# Altium PCB controller_8266.PcbDoc
Units mm, origin at the board's own origin, x right, y up, seen from the top; angles counter-clockwise.
Board outline 50 x 32 mm, 4 copper layers (Top Layer, Layer 1, Layer 2, Bottom Layer), stack 1.586 mm thick; 52 components, 30 nets, 153 pads, 117 vias.
Unrouted connection lines stored in the file: 17.
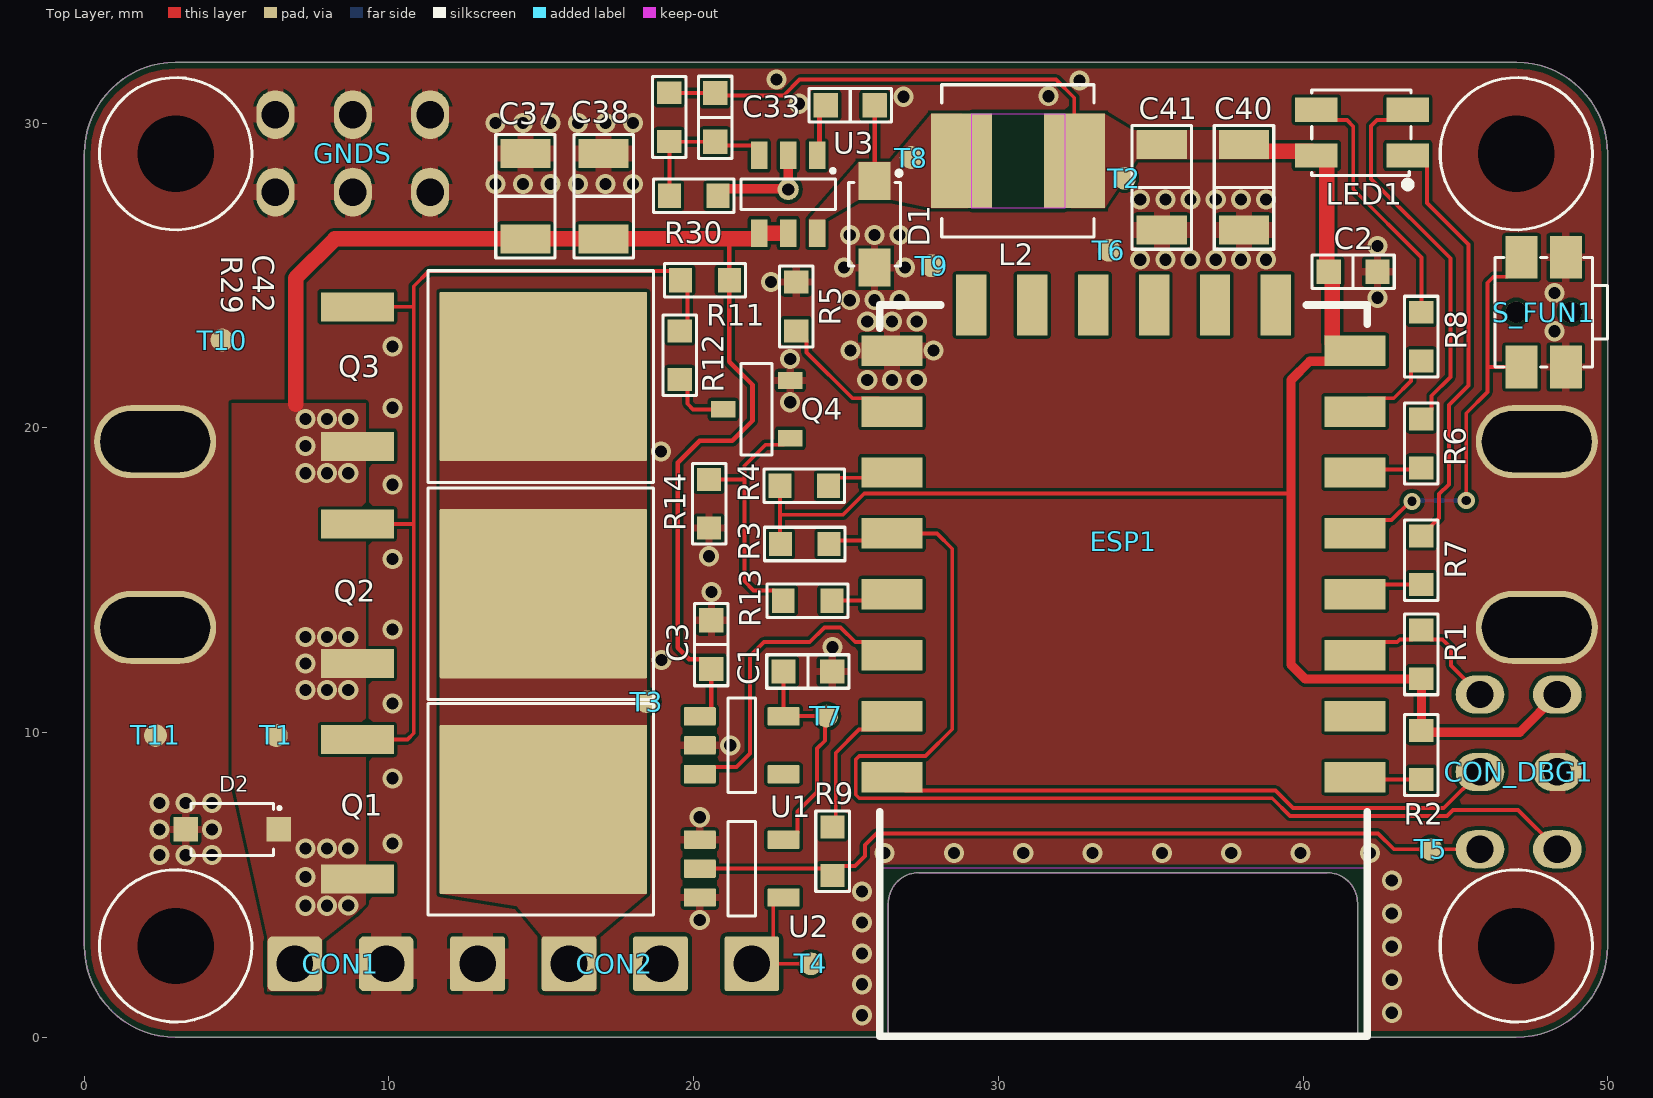
[diagram p0: Top Layer view]
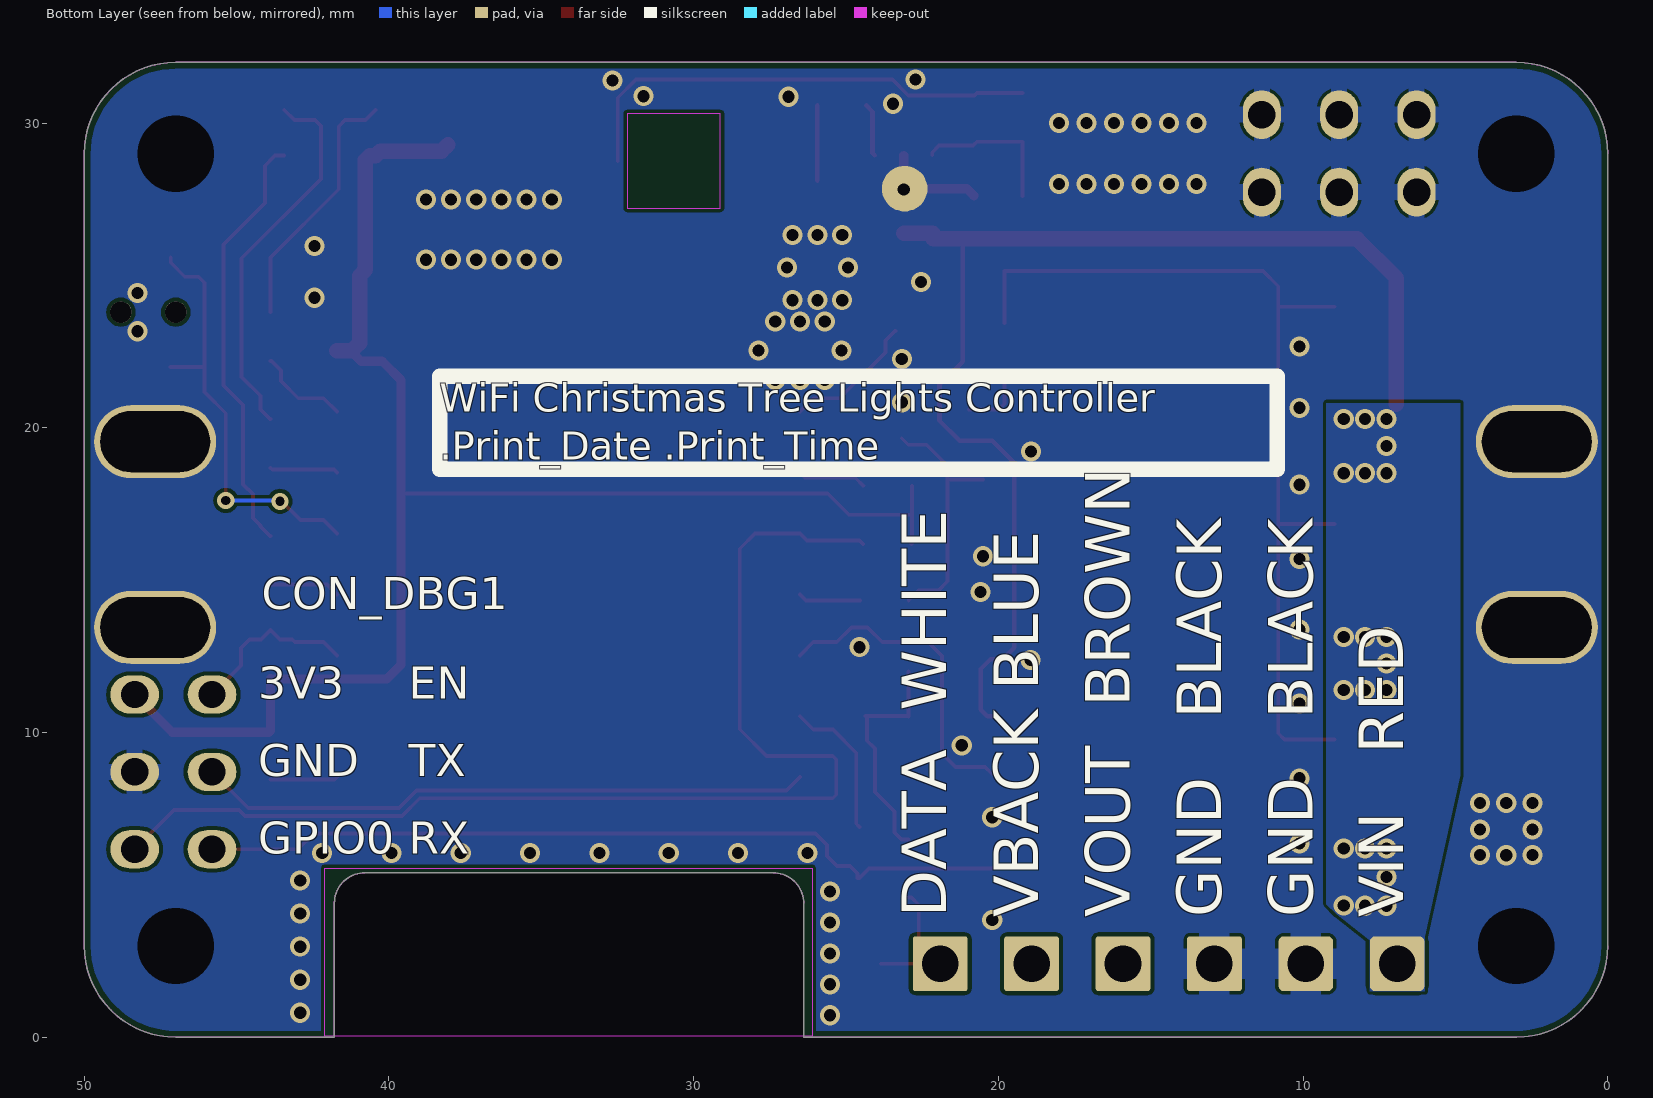
[diagram p1: Bottom Layer view, seen from below]
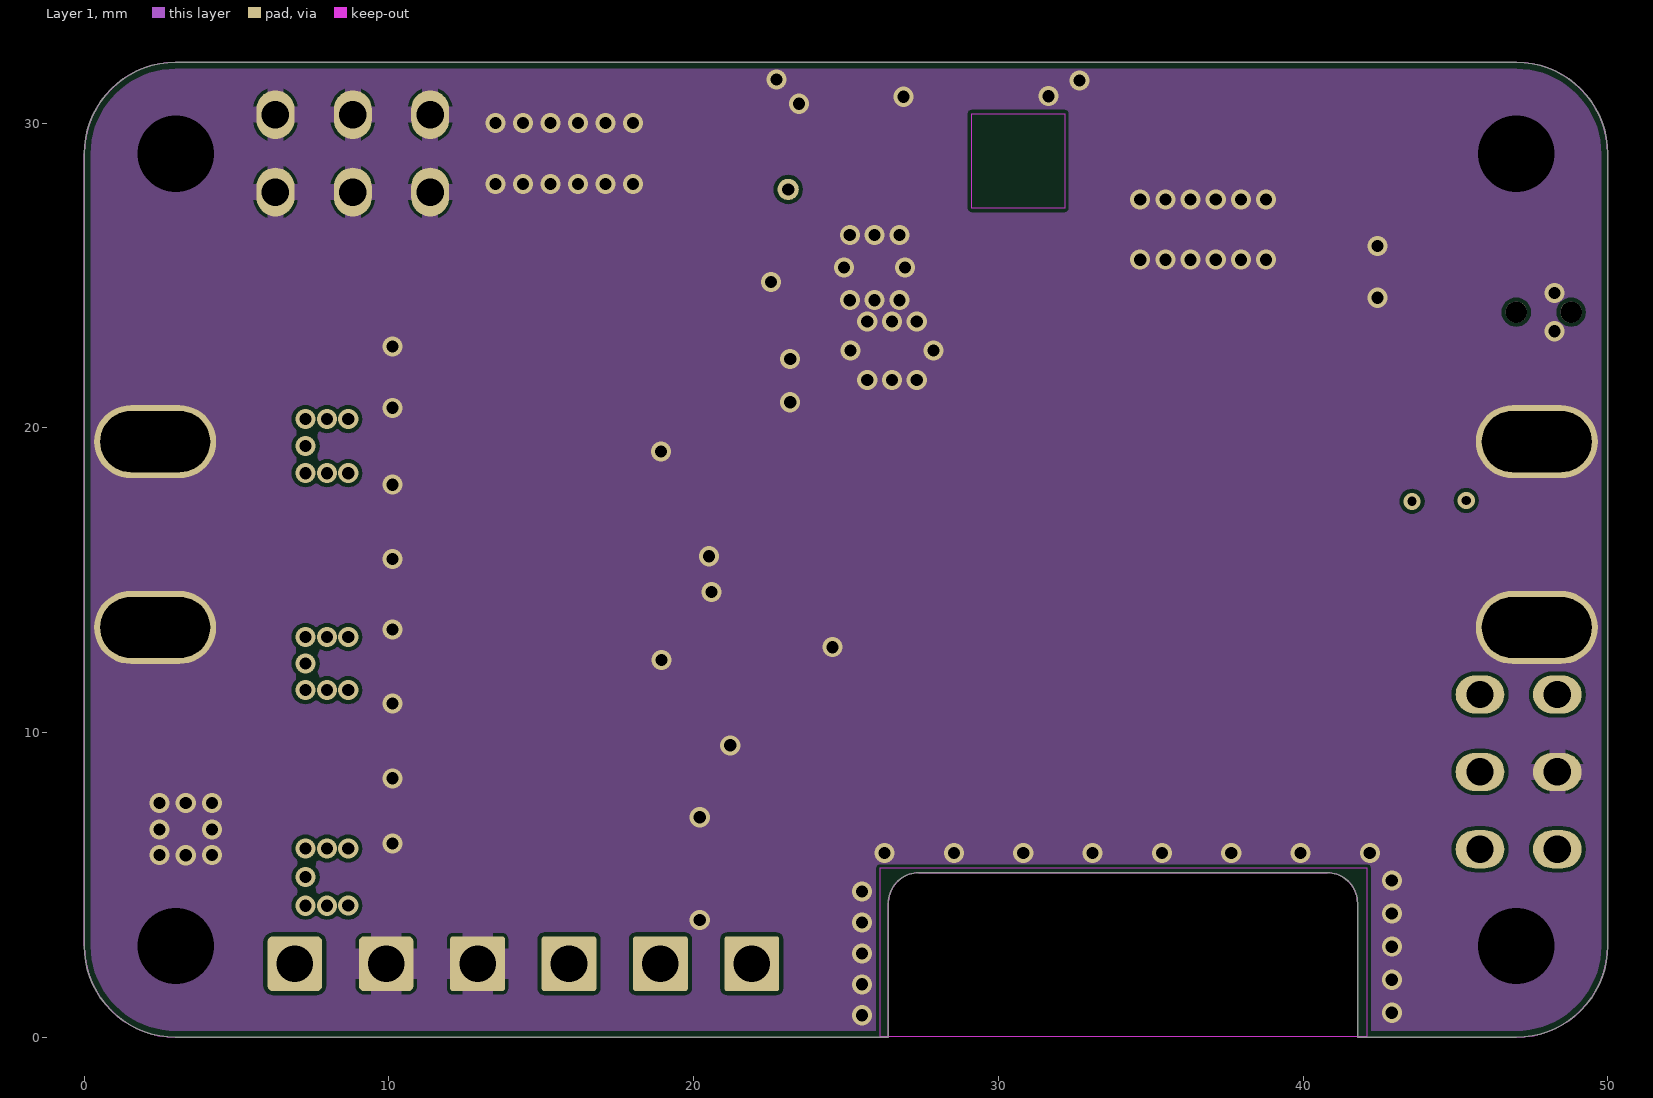
[diagram p2: Layer 1]
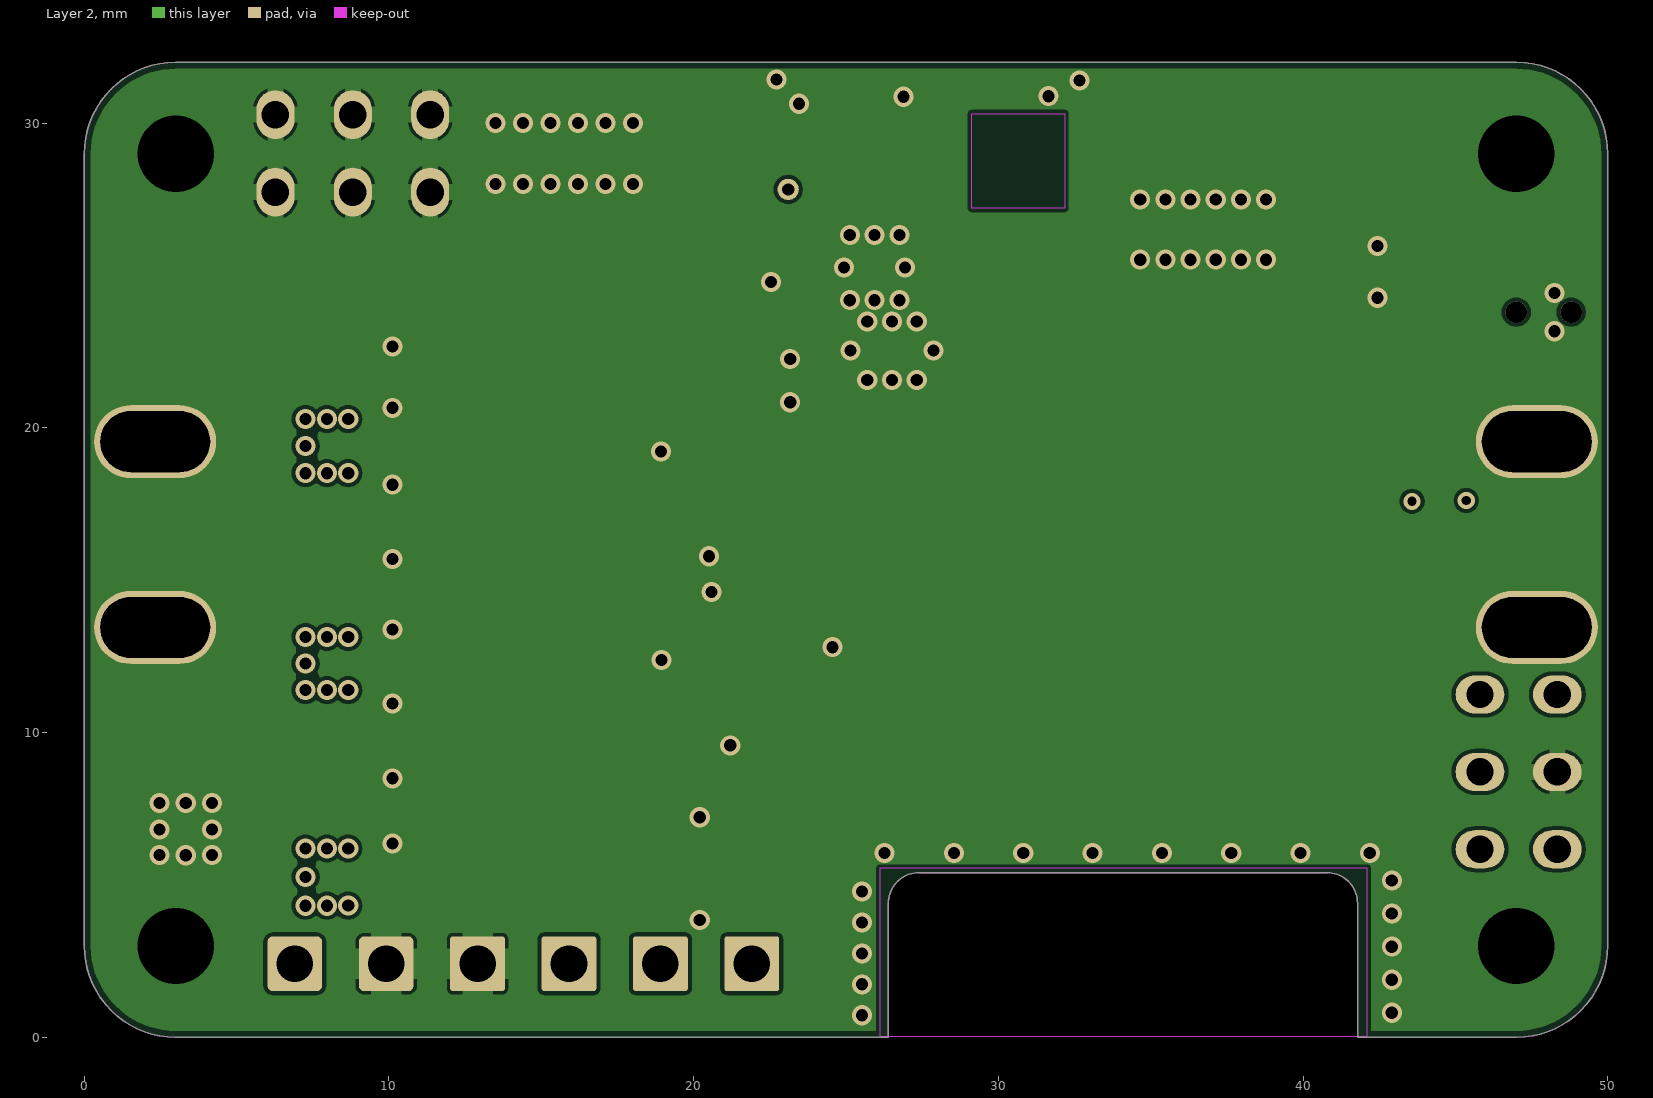
[diagram p3: Layer 2]
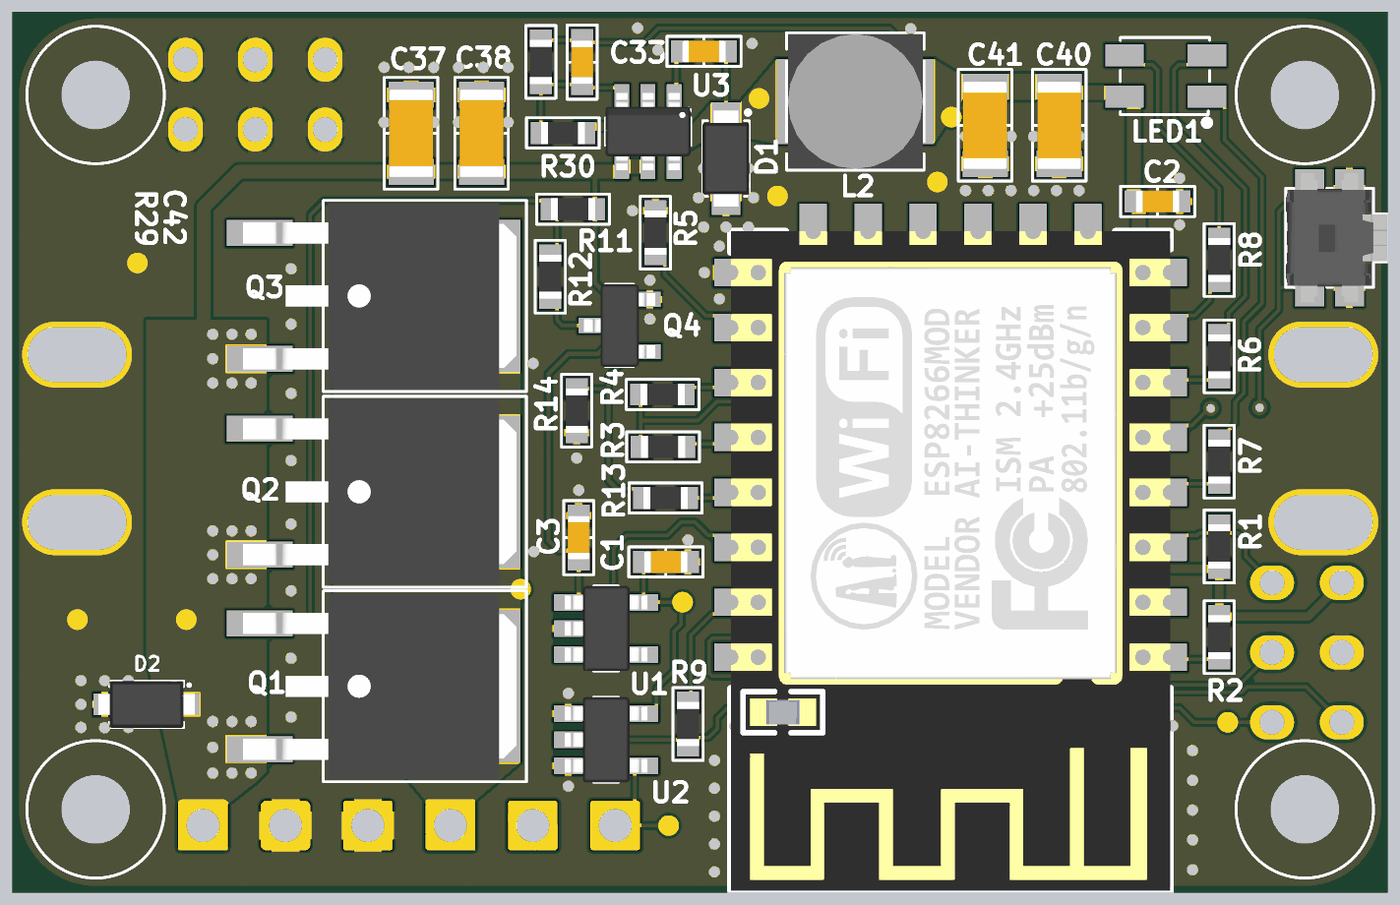
[diagram p4: 3D render of the assembled board from above, using the file's embedded part models]

## Layer stack, top to bottom
Top Solder: solder mask 0.0102, Solder Resist, Dk 3.5
Top Layer: signal copper 0.035
Dielectric 2: prepreg 0.2104, PP-006, Dk 4.1
Layer 1: signal copper 0.0152
Dielectric 1: dielectric 1.065, FR-4, Dk 4.8
Layer 2: signal copper 0.0152
Dielectric 3: prepreg 0.2104, PP-006, Dk 4.1
Bottom Layer: signal copper 0.035
Bottom Solder: solder mask 0.0102, Solder Resist, Dk 3.5

## Board outline
0,3 ccw(c3,3) 3,0 26.391,0 26.391,4.4 cw(c27.391,4.4) 27.391,5.4 40.791,5.4 cw(c40.791,4.4) 41.791,4.4 41.791,0 47,0 ccw(c47,3) 50,3 50,29 ccw(c47,29) 47,32 2.996,32 3,32 ccw(c3,29) 0,29

## Design rules (kind name [scope] priority, off if disabled: settings)
AcuteAngle [All] p1: minimum=4.50000000000000E+0001 checktracksonly=TRUE
AssemblyTestPointUsage [All] p1: valid=2
AssemblyTestpoint [All] p1: testpointundercomponent=TRUE minsize=1 maxsize=2 preferedsize=1 minholesize=0 maxholesize=1.016 preferedholesize=0.813 testpointgrid=0.025 usegrid=FALSE gridtolerance=0 allowsidetop=TRUE allowsidebottom=TRUE
BoardOutlineClearance [InLayerClass('Electrical Layers')] p1: gap=0.2 ignorepadtopadclearanceinfootprint=FALSE
Clearance Clearance_AGND [InPadClass('AGND_TIE') vs InNet('GND') And OnBottomLayer] p1: gap=-0.1 ignorepadtopadclearanceinfootprint=FALSE except(0: Arc-Hole Track-Hole SMDPad-Hole THPad-Hole Via-Hole Fill-Hole Poly-Hole Region-Hole Text-Hole)
Clearance Clearance_Keepout [All vs IsKeepOut] p2: gap=0.127 ignorepadtopadclearanceinfootprint=FALSE except(0.2: Arc-Fill Arc-Poly Arc-Region Track-Fill Track-Poly Track-Region)
Clearance [All] p3: gap=0.127 ignorepadtopadclearanceinfootprint=FALSE except(0.102: Track-Poly SMDPad-Poly Poly-Poly; 0.152: SMDPad-SMDPad; 0.2: Via-Via Poly-Region; 0.254: Track-THPad)
ComponentClearance ComponentClearance_TestPoints [All vs InComponentClass('TestPoint')] p1: gap=0 collisioncheckmode=3 verticalgap=0 showdistances=FALSE
ComponentClearance [All] p2: gap=0 collisioncheckmode=3 verticalgap=2540 showdistances=FALSE
FabricationTestPointUsage [All] p1: valid=2 allowmultiple=FALSE
HoleSize [All] p1: absolutevalues=TRUE maxlimit=6.3 minlimit=0.3 maxpercent=80.000 minpercent=20.000
HoleToHoleClearance [All] p1: gap=0.2 allowstackedmicrovias=TRUE
MinimumAnnularRing MinimumAnnularRing_Pad [IsPad] p1: minimumring=0.13
MinimumAnnularRing MinimumAnnularRing_Via [IsVia] p2: minimumring=0.13
MinimumSolderMaskSliver [All] p1: minsoldermaskwidth=0.2
PlaneClearance [All] p1: clearance=0.127
PlaneConnect [All] p1: planeconnectstyle=Relief reliefexpansion=0.508 reliefentries=4 reliefconductorwidth=0.127 reliefairgap=0.127
PolygonConnect PolygonConnect_FET_HEATSINK [InNet('VCC_LED') OR InNet('VCC24') OR InNet('PSU_SW') OR InNet('VCC3V3') OR InComponent('U4') OR InNet('NetC34_2') OR InNet('AGND') OR InPadClass('AGND_TIE') OR IsTestpoint] p1: connectstyle=Direct reliefconductorwidth=0.254 reliefentries=4 polygonreliefangle="90 Angle" airgapwidth=0.127
PolygonConnect PolygonConnect_HOLES [InNet('GND') vs (PadViaLibraryTemplate='mounting_hole') OR (PadViaLibraryTemplate='strain_hole') OR (PadViaLibraryTemplate='gnd_stitch')] p2: connectstyle=Direct reliefconductorwidth=0.254 reliefentries=4 polygonreliefangle="90 Angle" airgapwidth=0.127
PolygonConnect PolygonConnect_BIGPADS [(AsMils(PadXSize_TopLayer) >= 50) AND (AsMils(PadYSize_TopLayer) >= 50)] p3: connectstyle=Relief reliefconductorwidth=1.016 reliefentries=4 polygonreliefangle="90 Angle" airgapwidth=0.102
PolygonConnect PolygonConnect_MEDIUMPADS [(AsMils(PadXSize_TopLayer) + AsMils(PadYSize_TopLayer)) >= 100] p4: connectstyle=Relief reliefconductorwidth=0.54 reliefentries=4 polygonreliefangle="90 Angle" airgapwidth=0.102
PolygonConnect [All] p5: connectstyle=Relief reliefconductorwidth=0.254 reliefentries=4 polygonreliefangle="90 Angle" airgapwidth=0.102
RoutingVias [All] p1: holewidth=0.711 width=1.27 viastyle="Through Hole" minholewidth=0.711 minwidth=1.27 maxholewidth=0.711 maxwidth=1.27 useviatemplates=TRUE viatemplateguid#1={863AD310-8AAC-4E93-AEAD-B649E7019F4A} viatemplateguid#2={805DC470-32A0-448E-81FA-6CFE0BA0D239} viatemplateguid#3={D74DED10-C63D-44F9-930A-385D9D56560F} viatemplatename#1=gnd_stitch viatemplatename#2=power_via viatemplatename#3=signal_routing
ShortCircuit ShortCircuit_AGND [InPadClass('AGND_TIE') vs InNet('GND')] p1: allowed=TRUE
ShortCircuit [All] p2: allowed=FALSE
SilkToSilkClearance [All] p1: silktosilkclearance=0
SilkToSolderMaskClearance [All] p1: minsilkscreentomaskgap=0 clearancetoexposedcopper=TRUE
SolderMaskExpansion SolderMaskExpansion_VIA [PadViaLinkedToTemplate] p1: expansion=0.05 istentingtop=TRUE
SolderMaskExpansion [All] p2: expansion=0.05 istentingtop=FALSE
Width [All] p1: maxlimit=1.27 minlimit=0.127 preferedwidth=0.127
18 further rules are at their usual default settings.

## Classes and differential pairs
pad class AGND_TIE: Free-AGND_TIE
net class POWER24: GND PS_GATE VCC24 VCC_LED
polygon class HIPOWER: TOP_VCC_LED

## Components (designator, comment, footprint, x,y, rotation, side; value= is the part's Value field where it differs from the comment)
C1 "Cap" CAPC_0603_1608X08L 23.75,12.004 r180 top value=1uF
C2 "Cap" CAPC_0603_1608X08L 41.645,25.123 r0 top value=100nF
C3 "Cap" CAPC_0603_1608X08L 20.581,12.889 r270 top value=1uF
C33 "Cap" CAPC_0603_1608X08L 25.139,30.585 r0 top value=100nF
C37 "Cap" CAPC_1206_3216X16L 14.478,27.604 r270 top value=22uF
C38 "Cap" CAPC_1206_3216X16L 17.044,27.604 r270 top value=22uF
C40 "Cap" CAPC_1206_3216X16L 38.063,27.896 r90 top value=22uF
C41 "Cap" CAPC_1206_3216X16L 35.367,27.896 r90 top value=22uF
C42 "Cap" CAPC_0603_1608X08L 20.704,30.194 r90 top value=100pF
CON1 "CON_PWR" CONPWR 9.909,2.413 r180 top
CON2 "CON4" CONNECTOR 12.908,2.413 r0 top
CON_DBG1 "CON6" CON2X3 45.809,11.25 r270 top
D1 "Schottky 40V 3A" SOD123 25.939,26.686 r270 top
D2 "TVS" SODFL350X120-2L 4.854,6.822 r0 top
ESP1 "ESP8266 ESP-12-E" "ESP8266 ESP-12-E" 42.111,24.037 r180 top
GNDS "CON6" CON2X3 11.353,30.282 r180 top
L2 "Inductor" INDP4949X30N 30.643,28.765 r0 top value=15uH
LED1 "RGB LED Common anode" PLCC-4 41.938,29.69 r90 top
Q1 "MOSFET-P" DPAK229P994X241-3L 13.065,7.482 r0 top
Q2 "MOSFET-P" DPAK229P994X241-3L 13.065,14.558 r0 top
Q3 "MOSFET-P" DPAK229P994X241-3L 13.065,21.685 r0 top
Q4 "MOSFET-N" SOT23 22.068,20.61 r180 top
R1 "Res2" RESC_0603_1608X08L 43.886,12.566 r90 top value=10K
R2 "Res2" RESC_0603_1608X08L 43.887,9.266 r90 top value=10K
R3 "Res2" RESC_0603_1608X08L 23.647,16.191 r180 top value=10K
R4 "Res2" RESC_0603_1608X08L 23.629,18.1 r180 top value=10K
R5 "Res2" RESC_0603_1608X08L 23.368,23.987 r90 top value=10K
R6 "Res2" RESC_0603_1608X08L 43.886,19.489 r270 top value=1K
R7 "Res2" RESC_0603_1608X08L 43.886,15.657 r270 top value=1K
R8 "Res2" RESC_0603_1608X08L 43.886,22.996 r270 top value=1K
R9 "Res2" RESC_0603_1608X08L 24.559,6.107 r90 top value=1K
R11 "Res2" RESC_0603_1608X08L 20.371,24.845 r0 top value=220K
R12 "Res2" RESC_0603_1608X08L 19.546,22.387 r90 top value=100K
R13 "Res2" RESC_0603_1608X08L 23.739,14.333 r180 top value=1K
R14 "Res2" RESC_0603_1608X08L 20.505,17.511 r90 top value=10K
R29 "Res2" RESC_0603_1608X08L 19.203,30.204 r270 top value=2.4K
R30 "Res2" RESC_0603_1608X08L 20.003,27.618 r0 top value=680R
S_FUN1 "4-1437565-1" EVQP7C01P 47.9,23.8 r90 top
T1 "Testpoint" TESTPOINT 6.299,9.906 r0 top
T2 "Testpoint" TESTPOINT 34.138,28.194 r0 top
T3 "Testpoint" TESTPOINT 18.466,11.014 r0 top
T4 "Testpoint" TESTPOINT 23.851,2.411 r0 top
T5 "Testpoint" TESTPOINT 44.196,6.17 r0 top
T6 "Testpoint" TESTPOINT 33.63,25.832 r0 top
T7 "Testpoint" TESTPOINT 24.359,10.541 r0 top
T8 "Testpoint" TESTPOINT 27.139,28.874 r0 top
T9 "Testpoint" TESTPOINT 27.813,25.324 r0 top
T10 "Testpoint" TESTPOINT 4.521,22.885 r0 top
T11 "Testpoint" TESTPOINT 2.337,9.906 r0 top
U1 "M74VHC1GT125" SOT95P285X130-5N 21.575,5.535 r0 top
U2 "AP7383-50W5" SOT95P285X130-5N 21.575,9.583 r0 top
U3 "BD9G101G-LB" TSOP95P280X125-6L 23.102,27.669 r270 top

## Footprints (in the part's own frame and the unit in brackets; to place one, negate y for a bottom-side part, rotate by r counter-clockwise, add the part's x,y. Pads: shape width x height; smd on the part's side, far side on the other; paste and mask are expansions set on the pad)
CAPC_0603_1608X08L [mm] "Chip Capacitor 0603"
  rrect1% 0.8x0.8 smd: 1(-0.8,0) 2(0.8,0)
  silkscreen extent -1.35,-0.55 1.35,0.55, body extent -0.8,-0.4 0.8,0.4, height 0.8
CAPC_1206_3216X16L [mm] "Chip Capacitor 1206"
  rrect1% 0.95x1.65 smd: 1(-1.4,0) 2(1.4,0)
  silkscreen extent -2.03,-0.97 2.03,0.97, body extent -1.6,-0.8 1.6,0.8, height 1.6
CON2X3 [mm] "2x3 2.54mm"
  oval 1.25x1.6 hole 0.9 paste+0 mask+0: 1(0,0) 2(2.54,0) 3(5.08,0) 4(5.08,2.54) 5(2.54,2.54) 6(0,2.54)
CONNECTOR [mm]
  rrect10% 1.8x1.8 hole 1.2 paste+0: 1(0,0) 2(3,0) 3(6,0) 4(9,0)
CONPWR [mm]
  rrect20% 1.8x1.8 hole 1.2 paste+0: 1(0,0) 2(3,0)
DPAK229P994X241-3L [mm] "D-PAK, 3-Pads, Body 6.21x6.73mm (max), IPC High Density"
  rrect1% 2.4x0.95 smd: 1(-4.1,2.29) 3(-4.1,-2.29)
  rrect1% 6.8x5.55 smd: 2(2,0)
  silkscreen extent -1.78,-3.47 5.61,3.47, body extent -4.69,-3.37 5.24,3.37, height 2.56
"ESP8266 ESP-12-E" [mm] "ESP8266 ESP-12-E"
  rrect1% 2x1 smd: 1(0.4,15.5) 2(0.4,13.5) 3(0.4,11.5) 4(0.4,9.5) 5(0.4,7.5) 6(0.4,5.5) 7(0.4,3.5) 8(0.4,1.5) 15(15.6,1.5) 16(15.6,3.5) 17(15.6,5.5) 18(15.6,7.5) 19(15.6,9.5) 20(15.6,11.5) 21(15.6,13.5) 22(15.6,15.5)
  rrect1% 1x2 smd: 9(3,0) 10(5,0) 11(7,0) 12(9,0) 13(11,0) 14(13,0)
  Keep-Out Layer region: 0,18.49 16,18.49 16,24 0,24
  silkscreen extent 0,0 16,24, body extent 0,0 16,24, height 3.17
EVQP7C01P [mm] "Side actuated tactile switch"
  rrect1% 1.4x1.05 smd mask+0.05: 1(-1.8,0.725) 1(1.8,0.725) 2(-1.8,-0.725) 2(1.8,-0.725)
  round 0.7 hole 0.7 unplated: BOSS(0,0.9) BOSS(0,-0.9)
  silkscreen extent -1.8,-2.1 1.8,1.59, body extent -2.35,-2.1 2.35,1.59, height 1.5
INDP4949X30N [mm] "Precision Wire Wound Inductor, 2-Leads, Body 4.90x4.90mm, IPC Medium Density"
  rect 2x3.1 smd: 1(-1.85,0) 2(1.85,0)
  silkscreen extent -2.5,-2.5 2.5,2.5, body extent -2.55,-2.45 2.55,2.45, height 3.1
PLCC-4 [mm] "LED"
  rrect1% 0.8x1.4 smd: A(-0.75,1.5) B(0.75,1.5) G(0.75,-1.5) R(-0.75,-1.5)
  silkscreen extent -1.8,-1.6 1.4,1.65, body extent -1.4,-1.72 1.4,1.78, height 1.9
RESC_0603_1608X08L [mm] "Chip Resistor, 2-Leads, Body 1.60x0.80mm, IPC High Density"
  rrect1% 0.75x0.8 smd: 1(-0.8,0) 2(0.8,0)
  silkscreen extent -1.33,-0.55 1.33,0.55, body extent -0.8,-0.4 0.8,0.4, height 0.8
SOD123 [mm] "SOD123"
  rect 1.25x1.05 smd: 1(1.425,0) 2(-1.425,0)
  silkscreen extent -1.72,-0.85 1.38,0.85, body extent -1.75,-0.85 1.75,0.85, height 1.1
SODFL350X120-2L [mm] "SODFL, 2-Leads, Body 1.60x3.50mm, IPC High Density"
  rrect1% 0.8x0.8 smd: 1(-1.525,0) 2(1.525,0)
  silkscreen extent -1.35,-0.85 1.6,0.85, body extent -1.75,-0.85 1.75,0.85, height 1.2
SOT23 [mm] "SOT23, 3-Leads, Body 2.90x2.45mm, Pitch 0.95mm, IPC High Density"
  rrect1% 0.8x0.55 smd: 1(-1.1,0.95) 2(-1.1,-0.95) 3(1.1,0)
  silkscreen extent -0.51,-1.5 0.51,1.5, body extent -1.3,-1.5 1.3,1.5, height 1.1
SOT95P285X130-5N [mm] "SOT23, 5-Leads, Body 3.00x2.85mm, Pitch 0.95mm, IPC Medium Density"
  rrect10% 1.05x0.6 smd: 1(-1.375,0.95) 2(-1.375,0) 3(-1.375,-0.95) 4(1.375,-0.95) 5(1.375,0.95)
  silkscreen extent -0.45,-1.55 0.45,1.55, body extent -1.5,-1.55 1.5,1.55, height 1.3
TESTPOINT [mm]
  round 0.75 smd paste-10 mask+0: 1(0,0)
TSOP95P280X125-6L [mm] "TSOP, 6-Leads, Body 2.90x1.65mm, Pitch 0.95mm, IPC High Density"
  rrect1% 0.9x0.54 smd: 1(-1.275,0.95) 2(-1.275,0) 3(-1.275,-0.95) 4(1.275,-0.95) 5(1.275,0) 6(1.275,0.95)
  silkscreen extent -0.82,-1.55 0.5,1.55, body extent -1.4,-1.55 1.4,1.55, height 1.25

## Part data
C1 C2 C3 C33 C37 C38 C40 C41 C42: "Capacitor", LatestRevisionDate=17-Jul-2002, LatestRevisionNote="Re-released for DXP Platform.", PackageDescription="Radial Cap, Thru-Hole; 2 Leads; 0.3 in Pin Spacing", PackageReference=RAD-0.3, Published=8-Jun-2000, Publisher="Altium Limited"
CON1: "Header 2 way"
CON2: "Header 4 way"
CON_DBG1 GNDS: "Debug header 6 way"
D1: library part "D Schottky", "Schottky Diode", Code_JEDEC=DO-214-AA, LatestRevisionDate=17-Jul-2002, LatestRevisionNote="Re-released for DXP Platform.", PackageDescription="DO-214-AA/SMB; 2 C-Bend Leads; Body 5.3 x 3.6 mm, inc. leads (LxW)", PackageReference=SMB, Published=8-Jun-2000, Publisher="Altium Limited"
D2: library part "D Zener", "Schottky Diode", Manufacturer=Littelfuse, Manufacturer Part Number=SMBJ24CA, Code_JEDEC=DO-214-AA, LatestRevisionDate=17-Jul-2002, LatestRevisionNote="Re-released for DXP Platform.", PackageDescription="DO-214-AA/SMB; 2 C-Bend Leads; Body 5.3 x 3.6 mm, inc. leads (LxW)", PackageReference=SMB, Published=8-Jun-2000, Publisher="Altium Limited"
LED1: library part RGB_LED, "Dot is _not_ anode!"
R1 R2 R3 R4 R5 R6 R7 R8 R9 R11 R12 R13 R14 R29 R30: "Resistor", LatestRevisionDate=17-Jul-2002, LatestRevisionNote="Re-released for DXP Platform.", PackageDescription="Axial Device, Thru-Hole; 2 Leads; 0.4 in Pin Spacing", PackageReference=AXIAL-0.4, Published=8-Jun-2000, Publisher="Altium Limited"
S_FUN1: "Tactile switch", Manufacturer_Name="TE Connectivity", RS Part Number=1616046, Allied_Number=R1117787, Datasheet Link=http://uk.rs-online.com/web/p/products/1616046, Manufacturer_Part_Number=4-1437565-1
U1: "Level shifter non inverting"
U3: library part BD9G102G-LB
L2: Code_IEC=1005, Code_JEITA=0402, LatestRevisionDate=29-May-2009, LatestRevisionNote="IPC-7351 Footprint Added.", PackageDescription="Chip Inductor", PackageReference=0402-A, Published=8-Jun-2000, Publisher="Altium Limited"

## Free pads (board coordinates)
  round 0 hole 2.5 unplated mask+0: 1(3,3) 1(3,29) 1(47,3) 1(47,29)
  round 0.7 hole 0.4 mask+0: AGND_TIE(23.102,27.828)
  round 1.5 smd far side mask+0.05: GND_TIE(23.076,27.853)
  oval 4x2.4 hole 2 slot 3.6 at 0 deg mask+0: ""(2.325,13.45) ""(2.325,19.55) ""(47.675,13.45) ""(47.675,19.55)

## Via types
v1: diameter 0.66, hole 0.4, Top Layer to Bottom Layer, tented both sides, 115 vias
v2: diameter 0.56, hole 0.3, Top Layer to Bottom Layer, tented both sides, 2 vias

## Nets (pads, with @x,y where several pads share a name; then routed paths per layer and width w, separated by ;. In a path a pad name is that pad's centre, name@x,y a point inside that pad or via, vN(x,y) a via of type N, cw(c..) or ccw(c..) an arc to the next point about the centre after c; other vN are vias at no path point)
AGND: pad.AGND_TIE R30.2 U3.2 | length 3.5
  Top Layer w0.305: R30.2 20.803,27.631 21.026,27.853 23.076,27.853 pad.AGND_TIE ; pad.AGND_TIE@23.102,27.853 U3.2
DATA: CON2.4 T4.1 U1.4 | length 4.6
  Top Layer w0.127: U1.4 22.849,4.585 22.612,4.349 22.612,3.099 21.925,2.411 T4.1
DATAL: ESP1.21 R9.2 | length 4.8
  Top Layer w0.127: R9.2 24.662,7.01 24.662,9.333 25.429,10.1 26.075,10.1 ESP1.21
DATAL_C: CON_DBG1.3 R9.1 T5.1 U1.2 | length 26.9
  Top Layer w0.127: U1.2 24.247,5.535 24.559,5.224 24.627,5.224 24.627,5.375 24.87,5.618 25.292,5.618 25.621,5.946 25.621,6.311 26,6.691 42.462,6.691 42.982,6.17 T5.1 CON_DBG1.3
DBGB: ESP1.7 R8.2 | length 3.1
  Top Layer w0.127: ESP1.7 42.148,20.973 42.979,20.973 43.55,21.543 43.55,21.884 43.861,22.196 R8.2
DBGG: ESP1.6 R6.2 | length 2.2
  Top Layer w0.127: ESP1.6 41.808,18.633 43.83,18.633 R6.2
DBGR: ESP1.4 R7.2 | length 2.3
  Top Layer w0.127: ESP1.4 42.032,14.857 R7.2
ENABLE: CON_DBG1.1 ESP1.3 R1.2 | length 5.7
  Top Layer w0.127: ESP1.3 42.148,12.973 43.095,12.973 43.176,13.055 43.575,13.055 R1.2 44.198,13.055 44.574,13.055 44.858,12.771 44.858,12.201 CON_DBG1.1
FB: C42.1 R29.2 R30.1 U3.3 | length 5
  Top Layer w0.127: R30.1 19.203,29.394 C42.1 20.83,29.267 21.945,29.267 22.169,29.044 U3.3@22.169,28.961
FUNC: ESP1.5 S_FUN1.1 | length 14.2
  Top Layer w0.127: ESP1.5 42.148,16.973 42.909,16.973 43.528,17.592 v2(43.579,17.592) ; v2(45.357,17.618) 45.357,20.481 46.058,21.181 46.058,22 ; S_FUN1.1@47.165,25.6 47.165,25.425 46.704,24.963 46.256,24.963 46.058,24.765 46.058,22 ; S_FUN1.1@47.175,22 46.058,22
  Bottom Layer w0.127: v2@43.579,17.618 v2(45.357,17.618)
GND: C1.1 C2.2 C3.1 C37.1 C38.1 C40.1 C41.1 CON1.1 CON2.1 CON_DBG1.5 D1.1 D2.1 ESP1.15 GNDS.1 GNDS.2 GNDS.3 GNDS.4 GNDS.5 GNDS.6 pad. pad.1 pad.GND_TIE Q4.2 R5.2 R14.1 S_FUN1.2 T6.1 T9.1 T10.1 T11.1 U1.1 U1.3 U2.2
  other v1: 25.52,0.723 42.915,0.803 25.52,1.738 42.915,1.888 25.52,2.753 42.915,2.973 25.52,3.768 20.2,3.847 42.915,4.058 25.52,4.783 42.915,5.143 3.329,5.973 2.465,5.983 4.19,5.983 26.268,6.043 28.543,6.043 30.818,6.043 33.093,6.043 35.368,6.043 37.643,6.043 39.919,6.043 42.194,6.043 10.112,6.359 2.465,6.822 4.19,6.822 20.2,7.221 2.465,7.686 3.329,7.686 4.19,7.686 10.112,8.5 21.202,9.583 10.112,10.955 18.945,12.382 24.557,12.804 10.112,13.387 20.581,14.613 10.112,15.694 20.505,15.787 10.112,18.137 18.923,19.228 10.112,20.66 23.168,20.844 25.698,21.577 26.511,21.577 27.324,21.577 23.168,22.261 25.15,22.537 27.873,22.537 10.112,22.676 48.258,23.173 25.698,23.496 26.511,23.496 27.324,23.496 25.126,24.194 25.939,24.194 26.752,24.194 42.445,24.273 48.258,24.429 22.535,24.787 24.939,25.261 26.939,25.261 34.656,25.523 35.482,25.523 36.309,25.523 37.135,25.523 37.962,25.523 38.789,25.523 42.445,25.97 25.126,26.332 25.939,26.332 26.752,26.332 34.656,27.495 35.482,27.495 36.309,27.495 37.135,27.495 37.962,27.495 38.789,27.495 13.497,28.005 14.399,28.005 15.301,28.005 16.204,28.005 17.106,28.005 18.008,28.005 13.497,30.004 14.399,30.004 15.301,30.004 16.204,30.004 17.106,30.004 18.008,30.004 23.46,30.639 26.887,30.872 31.65,30.889 32.66,31.408 22.721,31.434
GPIO0: CON_DBG1.4 ESP1.18 R3.1 | length 39
  Top Layer w0.127: R3.1 24.56,16.304 26.279,16.304 ESP1.18 27.989,16.537 28.489,16.036 28.489,10.111 27.605,9.227 25.435,9.227 25.321,9.113 25.321,7.961 25.435,7.846 38.992,7.846 39.57,7.269 44.726,7.269 44.918,7.46 47.058,7.46 CON_DBG1.4
GPIO2: ESP1.17 R4.1 | length 2.3
  Top Layer w0.127: R4.1 24.695,18.366 26.341,18.366 ESP1.17
GPIO15: ESP1.16 R5.1 | length 4.5
  Top Layer w0.127: R5.1 23.393,23.187 23.705,22.875 23.705,22.476 25.208,20.973 26.075,20.973 ESP1.16
LEDB: LED1.B R8.1 | length 8.5
  Top Layer w0.127: LED1.B 40.775,30.104 41.439,30.104 41.649,29.894 41.649,27.836 43.886,25.598 R8.1
LEDG: LED1.G R6.1 | length 12.5
  Top Layer w0.127: LED1.G 43.102,30.104 42.427,30.104 42.238,29.915 42.238,28.171 44.84,25.569 44.84,21.674 44.223,21.057 44.223,20.601 43.911,20.289 R6.1
LEDR: LED1.R R7.1 | length 14.1
  Top Layer w0.127: LED1.R 43.738,28.94 44.075,28.604 44.075,27.382 45.436,26.021 45.436,21.398 44.787,20.749 44.787,18.146 44.468,17.827 44.468,17.04 44.223,16.794 44.223,16.769 43.911,16.457 R7.1
NetC33_1: C33.1 U3.1 | length 1.8
  Top Layer w0.152: U3.1 24.131,29.023 24.131,30.378 C33.1
NetQ4_3: Q4.3 R12.1 | length 2.3
  Top Layer w0.127: R12.1@19.8,21.841 19.8,20.793 19.983,20.61 Q4.3
PS_GATE: Q1.1 Q2.1 Q3.1 R11.1 R12.2 | length 31.2
  Top Layer w0.127: Q1.1 10.607,9.772 10.813,9.977 10.813,16.848 ; Q2.1 10.813,16.848 ; Q3.1 10.813,23.975 ; R12.2@19.8,23.441 19.8,25.15 11.314,25.15 10.813,24.649 10.813,23.975 ; 10.813,16.848 10.813,23.975
PSU_SW: C33.2 D1.2 L2.1 T8.1 U3.6 | length 2.5
  Top Layer w0.152: D1.2 C33.2
RESET: ESP1.1 R2.1 | length 2.2
  Top Layer w0.127: ESP1.1 41.782,8.466 R2.1
SWITCH: ESP1.19 R13.1 | length 2.1
  Top Layer w0.127: R13.1 26.308,14.333 ESP1.19
SWITCH5: ESP1.20 U2.3 | length 10.6
  Top Layer w0.127: U2.3 20.437,8.869 21.404,8.869 21.849,9.314 21.849,12.514 22.309,12.973 23.811,12.973 24.289,13.451 24.825,13.451 25.303,12.973 26.075,12.973 ESP1.20
SWITCH_L: Q4.1 R13.2 R14.2 | length 8.4
  Top Layer w0.127: R14.2 21.663,18.311 ; R13.2 22.939,14.358 22.627,14.67 21.961,14.67 21.663,14.967 21.663,18.311 ; Q4.1 22.957,19.449 22.352,19.449 21.663,18.76 21.663,18.311
TX: CON_DBG1.2 ESP1.22 | length 20.2
  Top Layer w0.127: ESP1.22 26.948,8.1 39.097,8.1 39.675,7.523 44.621,7.523 CON_DBG1.2
VCC3V3: C2.1 C40.2 C41.2 C42.2 CON_DBG1.6 ESP1.8 L2.2 LED1.A R1.1 R2.2 R3.2 R4.2 R29.1 T2.1 | length 67.1
  Top Layer w0.127: R29.1@19.203,30.994 C42.2 20.784,30.914 22.958,30.914 23.478,31.434 31.898,31.434 32.493,30.839 L2.2 ; R4.2 22.829,17.151 ; R3.2 22.829,16.209 22.829,17.151 ; 39.607,17.846 25.598,17.846 24.903,17.151 22.829,17.151
  Top Layer w0.305: ESP1.8@41.266,22.537 40.918,22.189 40.225,22.189 39.607,21.571 39.607,17.846 39.607,12.223 40.073,11.757 43.877,11.757 R1.1 ; R1.1 R2.2 43.938,10.015 47.113,10.015 CON_DBG1.6
  Top Layer w0.508: C40.2 38.274,29.085 40.294,29.085 LED1.A 40.629,28.94 40.775,28.794 40.775,25.193 C2.1 ; C2.1@40.964,25.003 40.964,22.784 41.211,22.537 ESP1.8
VCC5: C1.2 T7.1 U1.5 U2.5 | length 7.7
  Top Layer w0.127: U1.5 23.173,6.485 23.409,6.722 23.409,7.413 24.051,8.054 24.051,9.473 24.309,9.732 24.309,10.492 T7.1 24.309,10.541 22.959,10.541 U2.5 C1.2
VCC24: C3.2 C37.2 C38.2 CON1.2 D2.2 Q1.3 Q2.3 Q3.3 R11.2 T1.1 U2.1 U3.4 U3.5 | length 39.6
  Top Layer w0.152: U2.1 20.358,10.533 20.581,10.756 C3.2 20.258,12.412 19.848,12.412 19.481,12.78 19.481,18.864 20.194,19.576 21.269,19.576 21.931,20.238 21.931,21.411 21.171,22.171 R11.2 21.171,26.204
  Top Layer w0.508: 6.935,20.78 6.935,24.918 8.221,26.204 21.171,26.204 22.136,26.204 22.152,26.22 U3.4 U3.5
  other v1: 7.263,4.318 7.962,4.318 8.661,4.321 7.263,5.257 7.263,6.196 7.962,6.196 8.661,6.196 7.263,11.394 7.962,11.394 8.661,11.394 7.263,12.265 7.263,13.137 7.962,13.137 8.661,13.137 7.263,18.515 7.962,18.515 8.661,18.515 7.263,19.403 7.263,20.29 7.962,20.29 8.661,20.29
VCC_LED: CON2.2 Q1.2 Q2.2 Q3.2 T3.1
pads on no net: CON2.3 ESP1.2 ESP1.9 ESP1.10 ESP1.11 ESP1.12 ESP1.13 ESP1.14 S_FUN1.BOSS U2.4

## Polygon pours and split planes (outlines as drawn)
PSU_SW on Top Layer "1_TOP_PSU_SW" (solid, remove dead copper, pour order 36): 29.017,30.315 29.017,27.215 27.793,27.215 26.464,27.486 25.414,27.486 24.322,26.844 24.322,25.944 23.782,25.944 23.782,26.844 25.414,28.736 26.464,28.736 27.793,30.315
VCC3V3 on Top Layer "1_TOP_VCC3V3" (solid, remove dead copper, pour order 35): 32.389,27.215 32.389,30.315 33.489,30.315 34.4,29.771 38.883,29.771 38.883,28.822 34.544,28.822 33.489,27.215
VCC24 on Top Layer "1_TOP_VCC24" (solid, remove dead copper, pour order 30): 7.802,3.18 8.894,4.034 9.229,4.369 9.229,20.817 4.838,20.817 4.838,8.594 6.002,3.291 6.002,1.51 7.802,1.51
VCC_LED on Top Layer "1_TOP_VCC_LED" (solid, remove dead copper, pour order 31): 15.008,1.51 16.808,1.51 16.808,3.31 18.465,4.713 18.465,24.46 11.665,24.46 11.665,4.713 14.191,4.3 15.008,3.31
GND on Top Layer "9_TOP_GND" (solid, remove dead copper, pour order 43): 0,0 0,32 50,32 50,0
VCC24 on Bottom Layer "1_BOTTOM_VCC24" (solid, remove dead copper, pour order 54): 7.802,3.18 8.894,4.034 9.229,4.369 9.229,20.817 4.838,20.817 4.838,8.594 6.002,3.291 6.002,1.51 7.802,1.51
GND on Bottom Layer "9_BOTTOM_GND" (solid, remove dead copper, pour order 55): 0,0 0,32 50,32 50,0
GND on Layer 1 "9_TOP_GND" (solid, remove dead copper, pour order 57): 0,0 0,32 50,32 50,0
GND on Layer 2 "9_TOP_GND" (solid, remove dead copper, pour order 58): 0,0 0,32 50,32 50,0

## Keep-outs
Keep-Out Layer:
  region: 29.127,27.215 29.127,30.315 32.173,30.315 32.173,27.215
  lines w0.025: 2.996,32 47,32 cw(c47,29) 50,29 50,3 cw(c47,3) 47,0 41.791,0 41.791,4.4 ccw(c40.791,4.4) 40.791,5.4 27.391,5.4 ccw(c27.391,4.4) 26.391,4.4 26.391,0 3,0 cw(c3,3) 0,3 0,29 cw(c3,29) 3,32

## Silkscreen, mask and mechanical layers (free items; w line width, h text height)
Top Overlay:
  circle w0.102: c47,3 r2.5
  circle w0.102: c47,29 r2.5
  circle w0.102: c3,3 r2.5
  circle w0.102: c3,29 r2.5
Bottom Overlay:
  lines w0.508: 10.849,18.64 38.341,18.64 38.341,21.689 10.849,21.689 10.849,18.64
  text "WiFi Christmas Tree Lights Controller / .Print_Date .Print_Time" at 38.341,18.64 h1.59
  text "EN" at 39.345,10.76 h1.8
  text "3V3" at 44.298,10.759 h1.8
  text "TX" at 39.345,8.22 h1.8
  text "GND" at 44.298,8.22 h1.8
  text "RX" at 39.345,5.68 h1.8
  text "GPIO0" at 44.298,5.68 h1.8
  text "VIN   RED" at 6.228,3.937 h2.5 r270
  text "GND   BLACK" at 9.205,3.937 h2.5 r270
  text "GND   BLACK" at 12.205,3.937 h2.5 r270
  text "VOUT  BROWN" at 15.205,3.937 h2.5 r270
  text "VBACK BLUE" at 18.206,3.937 h2.5 r270
  text "DATA  WHITE" at 21.228,3.937 h2.5 r270